# KiCad board pcb.kicad_pcb (continued)
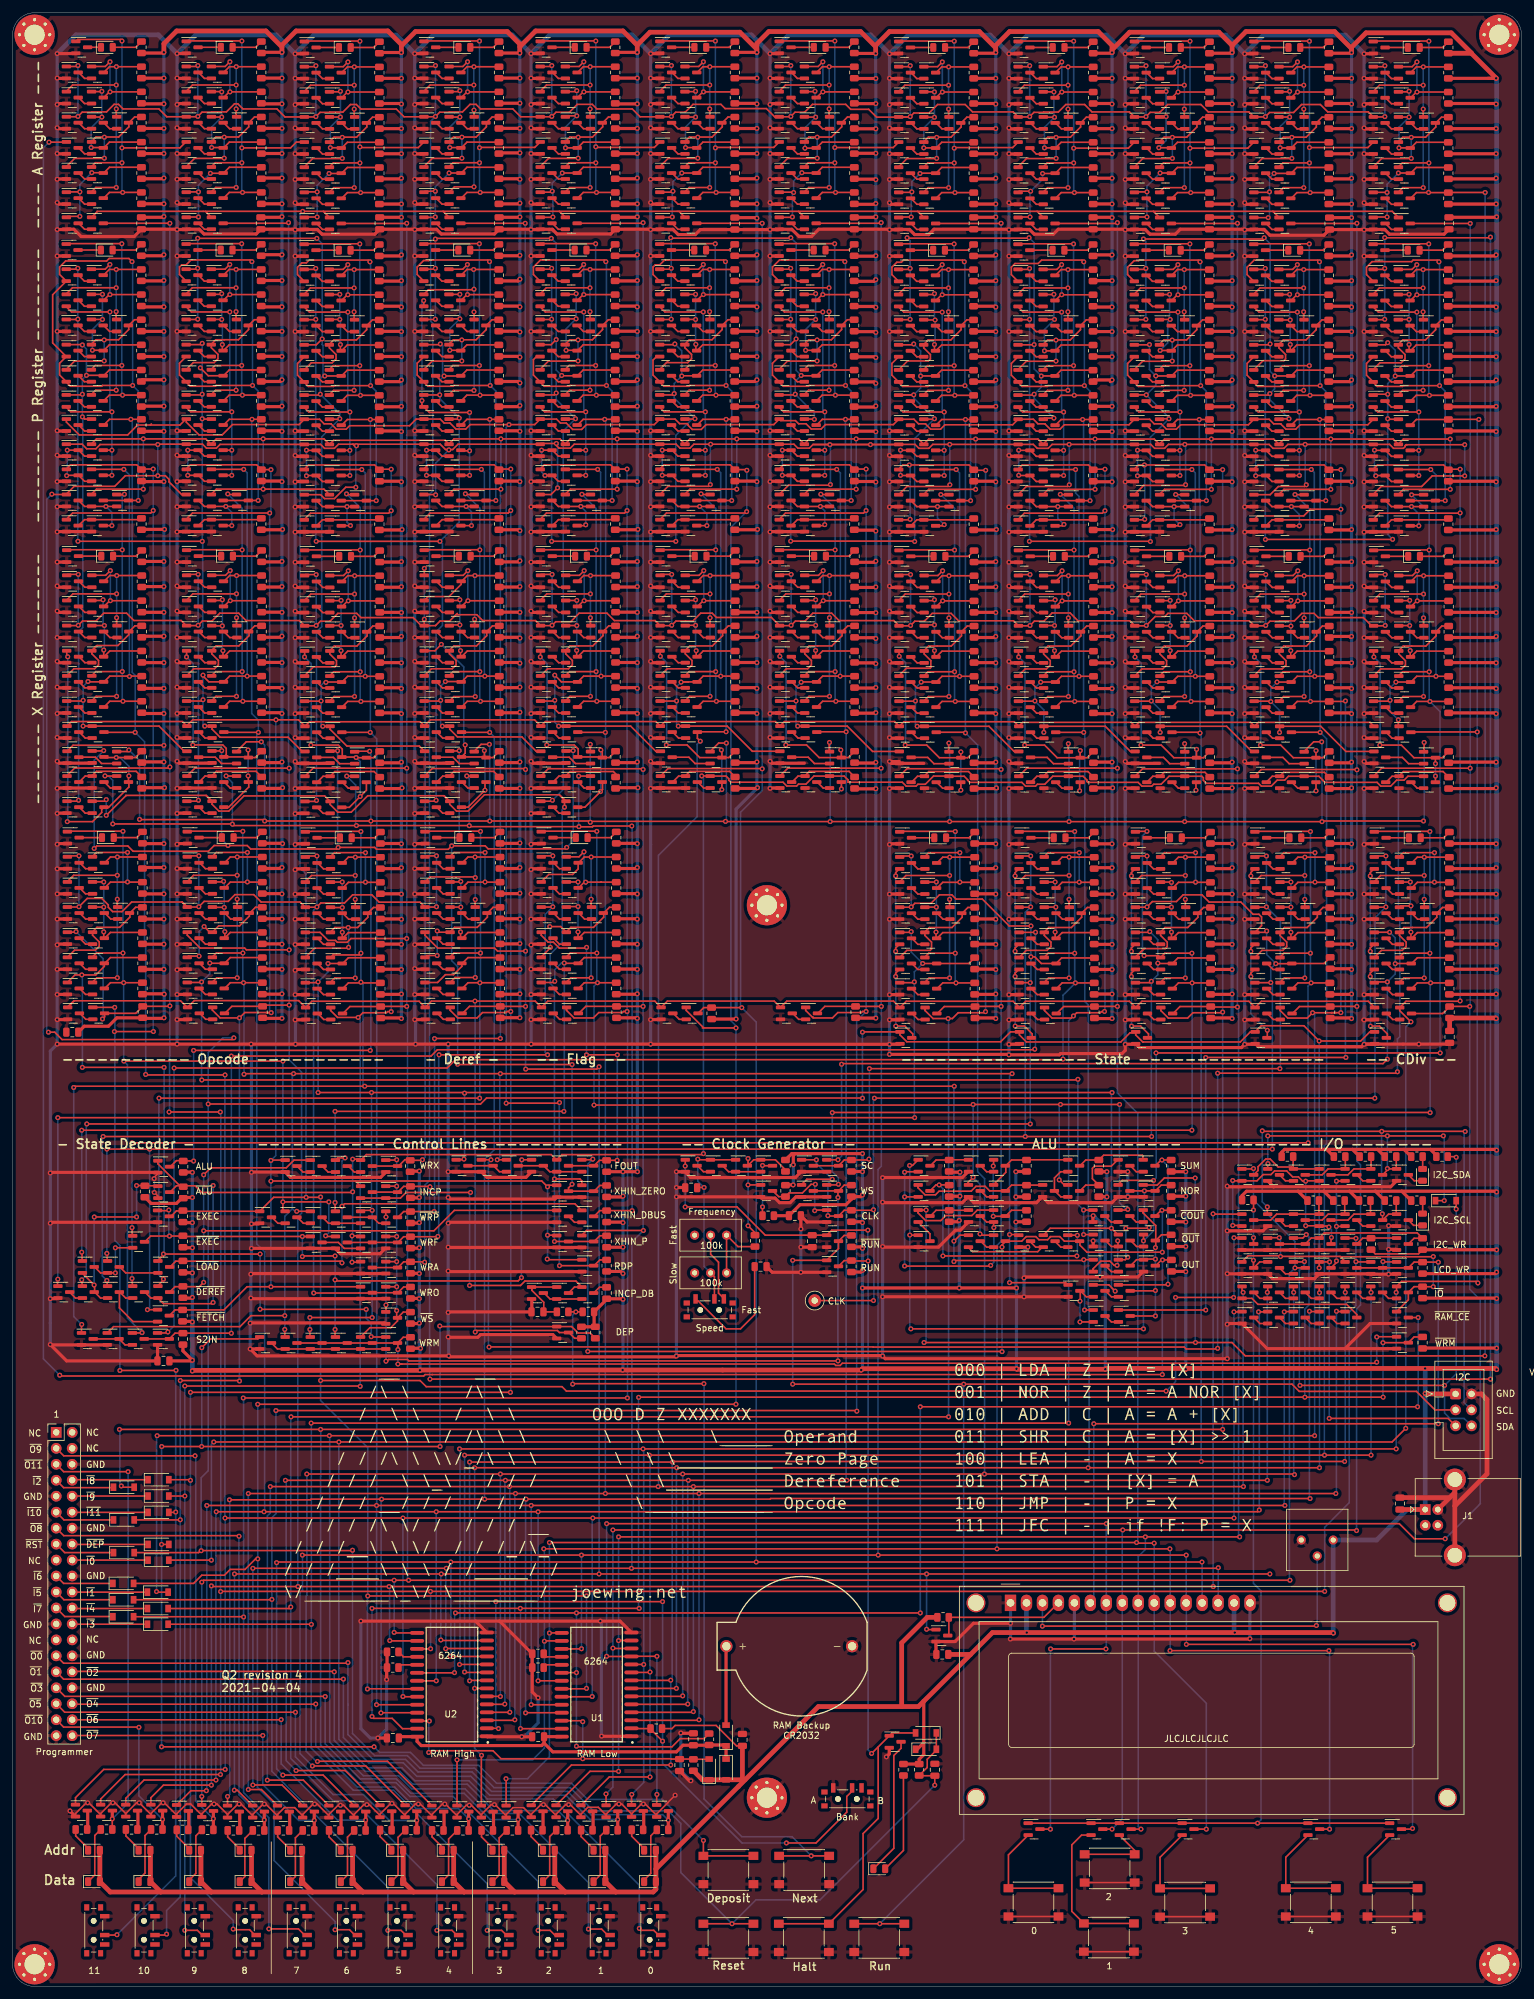
[diagram p0: board, top side]
## Routing (per net, layer and track width the routed paths; a pad name or vN(x,y) marks a point on that pad's centre or on a via; arc(x,y) is an arc through that point) (continued)
Net-(Q1034-Pad2): length 2.4
  Top w0.25: 123.9,300.52 124.85,299.57 125.9,299.57
Net-(Q1034-Pad3): length 14.5
  Top w0.25: v1(128.9,306.22) 128.15,305.47 125.9,305.47 ; 127.9,300.52 128.81,301.43 v1(128.91,301.43) R460.2
  Bottom w0.25: v1(128.91,301.43) 128.9,301.45 v1(128.9,306.22)
Net-(Q1038-Pad2): length 2.4
  Top w0.25: 125.9,287.57 124.85,287.57 123.9,288.52
Net-(Q1039-Pad2): length 2.4
  Top w0.25: 125.9,303.57 124.85,303.57 123.9,304.52
Net-(Q1040-Pad1): length 20.1
  Top w0.25: v1(128,290.88) 127.96,290.85 123.27,290.85 121.9,289.47 ; R464.2 132.81,297.43 131.9,296.52 131.9,295.87 130.28,294.25 128.03,294.25 ; 128.03,294.25 126.68,294.25 125.9,293.47 ; 128.03,294.25 v1(128,294.22)
  Bottom w0.25: v1(128,294.22) v1(128,290.88)
Net-(Q1042-Pad2): length 2.4
  Top w0.25: 129.9,295.57 128.85,295.57 127.9,296.52
Net-(Q1043-Pad2): length 2.4
  Top w0.25: 123.9,296.52 124.85,295.57 125.9,295.57
Net-(Q1045-Pad2): length 2.4
  Top w0.25: 123.9,292.52 124.85,291.57 125.9,291.57
Net-(Q1047-Pad2): length 2.3
  Top w0.25: 129.9,190.67 128.95,190.67 128,191.62
Net-(Q1048-Pad2): length 2.4
  Top w0.25: 126,198.62 124.95,198.62 124,199.57
Net-(Q1049-Pad2): length 6.4
  Top w0.25: 127.57,194.57 126.57,195.57 124,195.57 ; 127.54,194.57 129.9,194.57
Net-(Q1050-Pad3): length 11
  Top w0.25: 124,191.62 124.95,192.57 126,192.57 126.75,193.32 133.06,193.32 R467.2
Net-(Q1054-Pad1): length 39.6
  Top w0.25: v1(129.95,217.76) 129.95,216.51 ; 127.95,223.56 128.86,224.47 v1(129.96,224.47) R472.2 ; 125.95,204.51 126.7,205.26 v1(129.95,205.26) ; 121.95,220.51 123,221.56 v1(129.95,221.56)
  Bottom w0.25: v1(129.96,224.47) 129.95,224.46 v1(129.95,221.56) v1(129.95,217.76) v1(129.95,205.26)
Net-(Q1054-Pad2): length 2.4
  Top w0.25: 125.95,202.61 124.9,202.61 123.95,203.56
Net-(Q1055-Pad1): length 18.8
  Top w0.25: R474.2 128.86,212.47 127.95,211.56 ; Q1055.1 127.63,220.51 v1(127.75,220.63) ; v1(127.75,212.56) 127.75,211.7 ; v1(127.75,216.56) 126.06,216.56
  Bottom w0.25: v1(127.75,212.56) v1(127.75,216.56) v1(127.75,220.63)
Net-(Q1055-Pad2): length 2.4
  Top w0.25: 125.95,218.61 124.9,218.61 123.95,219.56
Net-(Q1055-Pad3): length 14.5
  Top w0.25: 125.95,224.51 128.2,224.51 v1(128.95,225.26) ; 127.95,219.56 128.86,220.47 v1(128.96,220.47) R469.2
  Bottom w0.25: v1(128.96,220.47) 128.95,220.49 v1(128.95,225.26)
Net-(Q1059-Pad2): length 2.4
  Top w0.25: 125.95,206.61 124.9,206.61 123.95,207.56
Net-(Q1060-Pad2): length 2.4
  Top w0.25: 123.95,223.56 124.9,222.61 125.95,222.61
Net-(Q1061-Pad1): length 18.6
  Top w0.25: R473.2 132.86,216.47 131.95,215.56 131.95,214.91 130.32,213.29 128.08,213.29 ; 125.95,212.51 126.73,213.29 128.08,213.29 ; 128.08,213.29 128.05,213.26 ; Q1066.1 126.01,212.03 127.08,210.96 127.08,210.25 126.47,209.65 123.09,209.65 121.95,208.51
Net-(Q1063-Pad2): length 2.4
  Top w0.25: 127.95,215.56 128.9,214.61 129.95,214.61
Net-(Q1064-Pad2): length 2.4
  Top w0.25: 125.95,214.61 124.9,214.61 123.95,215.56
Net-(Q1066-Pad2): length 2.4
  Top w0.25: 123.95,211.56 124.9,210.61 125.95,210.61
Net-(Q1068-Pad1): length 39.6
  Top w0.25: v1(110.88,270.27) 103.93,270.27 102.88,269.22 ; R479.2 v1(110.89,273.18) 109.79,273.18 108.88,272.27 ; v1(110.88,253.97) 107.63,253.97 106.88,253.22 ; v1(110.88,266.47) 110.88,265.22
  Bottom w0.25: v1(110.89,273.18) 110.88,273.17 v1(110.88,270.27) v1(110.88,266.47) v1(110.88,253.97)
Net-(Q1068-Pad2): length 2.4
  Top w0.25: 106.88,251.32 105.83,251.32 104.88,252.27
Net-(Q1069-Pad1): length 18.6
  Top w0.25: R481.2 109.79,261.18 108.88,260.27 ; Q1069.1 108.64,269.22 v1(108.65,269.23) ; v1(108.65,265.23) 106.95,265.23 ; v1(108.69,261.27) 108.69,260.39
  Bottom w0.25: v1(108.65,269.23) v1(108.65,265.23) 108.65,261.31 v1(108.69,261.27)
Net-(Q1069-Pad2): length 2.4
  Top w0.25: 106.88,267.32 105.83,267.32 104.88,268.27
Net-(Q1069-Pad3): length 14.5
  Top w0.25: 108.88,268.27 109.79,269.18 v1(109.89,269.18) R476.2 ; v1(109.88,273.97) 109.13,273.22 106.88,273.22
  Bottom w0.25: v1(109.88,273.97) 109.88,269.19 v1(109.89,269.18)
Net-(Q1073-Pad2): length 2.4
  Top w0.25: 104.88,256.27 105.83,255.32 106.88,255.32
Net-(Q1074-Pad2): length 2.4
  Top w0.25: 106.88,271.32 105.83,271.32 104.88,272.27
Net-(Q1075-Pad1): length 18.9
  Top w0.25: R480.2 113.79,265.18 112.88,264.27 112.88,263.62 111.25,261.99 107.66,261.99 106.88,261.22 ; 102.88,257.22 104.25,258.59 ; Q1080.1 106.94,260.73 108.01,259.67 108.01,258.97 107.39,258.35 104.02,258.35
Net-(Q1077-Pad2): length 2.4
  Top w0.25: 110.88,263.32 109.83,263.32 108.88,264.27
Net-(Q1078-Pad2): length 2.4
  Top w0.25: 106.88,263.32 105.83,263.32 104.88,264.27
Net-(Q1080-Pad2): length 2.4
  Top w0.25: 106.88,259.32 105.83,259.32 104.88,260.27
Net-(Q1082-Pad2): length 2.4
  Top w0.25: 125.9,247.47 124.85,247.47 123.9,248.42
Net-(Q1084-Pad2): length 12.7
  Top w0.25: 122.79,244.42 123.9,244.42 124.85,243.47 125.9,243.47 ; 123.9,240.42 124.85,239.47 125.9,239.47 ; v1(122.45,240.43) 122.46,240.42 Q1089.3 ; Q1088.3 122.46,244.42 v1(122.45,244.43)
  Bottom w0.25: v1(122.45,240.43) v1(122.45,244.43)
Net-(Q1086-Pad2): length 11.1
  Top w0.25: 129.9,235.47 v1(128.5,235.47) 124.85,235.47 123.9,236.42 ; v1(129.2,232.58) 129.04,232.42 127.9,232.42
  Bottom w0.25: v1(128.5,235.47) 129.2,234.78 v1(129.2,232.58) 129.2,232.42
Net-(Q1091-Pad1): length 10.2
  Top w0.25: 123.9,232.42 124.85,233.37 133.69,233.37
Net-(Q1093-Pad3): length 2.5
  Top w0.25: Q1093.3 89.39,121.58 Q97.2
Net-(Q1094-Pad2): length 2.5
  Top w0.25: Q127.3 46.19,129.58 Q1094.2
Net-(Q1094-Pad3): length 2.5
  Top w0.25: Q121.2 50.19,129.58 Q1094.3
Net-(Q1095-Pad3): length 2.6
  Top w0.25: Q1095.3 202.49,128.18 Q854.2
Net-(Q1098-Pad1): length 14.4
  Top w0.25: Q855.3 198.13,129.81 198.13,130.42 199.35,131.65 200.05,131.65 201.32,130.38 203.46,130.38 Q854.1 Q1098.1 ; R487.2 203.71,130.13
Net-(Q1098-Pad2): length 37.3
  Top w0.25: Q1108.3 209.74,119.1 v1(209.8,119.16) ; Q1098.2 205.75,128.18 v1(205.7,128.13) 205.22,128.13 204.55,128.8 203.63,128.8 202.68,129.75 200.75,129.75 200.18,129.17 198.95,129.17 197.95,128.18 Q855.2 194.15,128.18 v1(194.1,128.23) ; v1(194.1,121.08) 195.46,121.08 ; Q1106.2 209.25,120.98 v1(209.4,120.83) ; v1(205.7,121.03) 207.81,121.03
  Bottom w0.25: v1(209.8,119.16) 209.8,120.43 v1(209.4,120.83) ; v1(194.1,128.23) v1(194.1,121.08) ; v1(205.7,128.13) v1(205.7,121.03)
Net-(Q1098-Pad3): length 8.6
  Top w0.25: Q1098.3 212.42,129.13 213.37,130.08 Q1099.1 ; R489.2 216.11,130.13
Net-(Q1099-Pad2): length 2.6
  Top w0.25: Q1099.2 214.79,128.18 Q1101.3
Net-(Q1100-Pad2): length 2.6
  Top w0.25: Q1102.3 202.49,113.38 Q1100.2
Net-(Q1101-Pad1): length 8.6
  Top w0.25: R486.2 212.01,130.13 ; Q1101.1 209.27,130.08 208.32,129.13 Q854.3
Net-(Q1103-Pad1): length 12.9
  Top w0.25: R492.2 207.81,122.93 ; Q1106.1 Q1103.1 201.08,122.88 200.13,121.93 Q1104.3
Net-(Q1103-Pad2): length 2.6
  Top w0.25: Q1103.2 202.49,120.98 Q1105.3
Net-(Q1103-Pad3): length 8.8
  Top w0.25: Q1103.3 208.33,121.93 209.28,122.88 Q1109.1 ; R491.2 211.91,122.93
Net-(Q1106-Pad3): length 8.8
  Top w0.25: Q1107.1 213.38,122.88 212.43,121.93 Q1106.3 ; R493.2 216.01,122.93
Net-(Q1107-Pad2): length 2.6
  Top w0.25: Q1107.2 214.79,120.98 Q1109.3
Net-(R127-Pad1): length 11.4
  Top w0.25: RV1.3 RV2.3 115.39,117.71 118.2,117.71
Net-(R292-Pad1): length 3.1
  Top w0.25: R292.1 84.98,52.44 U1.18
Net-(R293-Pad1): length 3.3
  Top w0.25: U2.18 62.18,52.44 R293.1
Net-(R294-Pad1): length 3
  Top w0.25: R294.1 84.94,51.17 U1.19
Net-(R295-Pad1): length 3.1
  Top w0.25: U2.19 61.84,51.17 R295.1
Net-(RV2-Pad2): length 10.9
  Top w0.25: 113.15,109.46 112.3,110.31 112.3,115.23 111.04,116.49 RV2.2

## Copper pours and planes (outline as drawn; the poured copper is in the pictures)
GND on Top: 240,0.03 0,0.03 0.2,314.03 240.1,314.03
GND on Bottom: 240,0.03 0,0.03 0,313.93 240,314.03

## Text on the board
F.Silkscreen: GND | ~{O11} | ~{O10} | ~{RST} | ~{I10} | NC | ~{O5} | ~{O9} | ~{O1} | ~{O8} | ~{O0} | ~{O3} | ~{I2} | ~{I5} | ~{I7} | ~{I6} | 1 | ~{I8} | ~{I9} | ~{I0} | ~{I1} | ~{I4} | ~{I3} | ~{O2} | ~{O4} | ~{O6} | ~{O7} | ~{I11} | 11 | ~{DEP} | 10 | 9 | ALU | ~{ALU} | S2IN | ~{LOAD} | EXEC | ~{EXEC} | ~{DEREF} | ~{FETCH} | 8 | 7 | 6 | 5 | ~{WS} | WRX | ~{WRP} | WRF | WRA | WRO | WRM | INCP | 4 | RAM High | 3 | 2 | RAM Low | RDP | DEP | FOUT | XHIN_P | INCP_DB | XHIN_ZERO | XHIN_DBUS | 0 | Frequency | Fast | RAM Backup / CR2032 | A | SC | WS | CLK | ~{RUN} | RUN | B | SUM | NOR | ~{OUT} | OUT | ~{COUT} | JLCJLCJLCJLC | ~{IO} | ~{WRM} | I2C_WR | I2C_SDA | LCD_WR | I2C_SCL | ~{RAM_CE} | SCL | SDA | VCC | Slow | Q2 revision 4 / 2021-04-04 | Addr | Data | - State Decoder - | ----------- Opcode ----------- | ----------- Control Lines ----------- | - Deref - | -- Flag -- | -- Clock Generator -- | ---------- ALU ---------- | ---------------- State ---------------- | ------- I/O ------- | -- CDiv -- | ---- A Register --- | -------- P Register -------- | ------- X Register -------
